# Altium PCB Minion.PcbDoc (part 3 of 10)
Units mm, origin at the board's own origin, x right, y up, seen from the top; angles counter-clockwise.
Board outline 250 x 250 mm, 4 copper layers (Top Layer, Mid-Top Layer, Mid-Bottom Layer, Bottom Layer); 557 components, 153 nets, 5229 pads, 7984 vias.
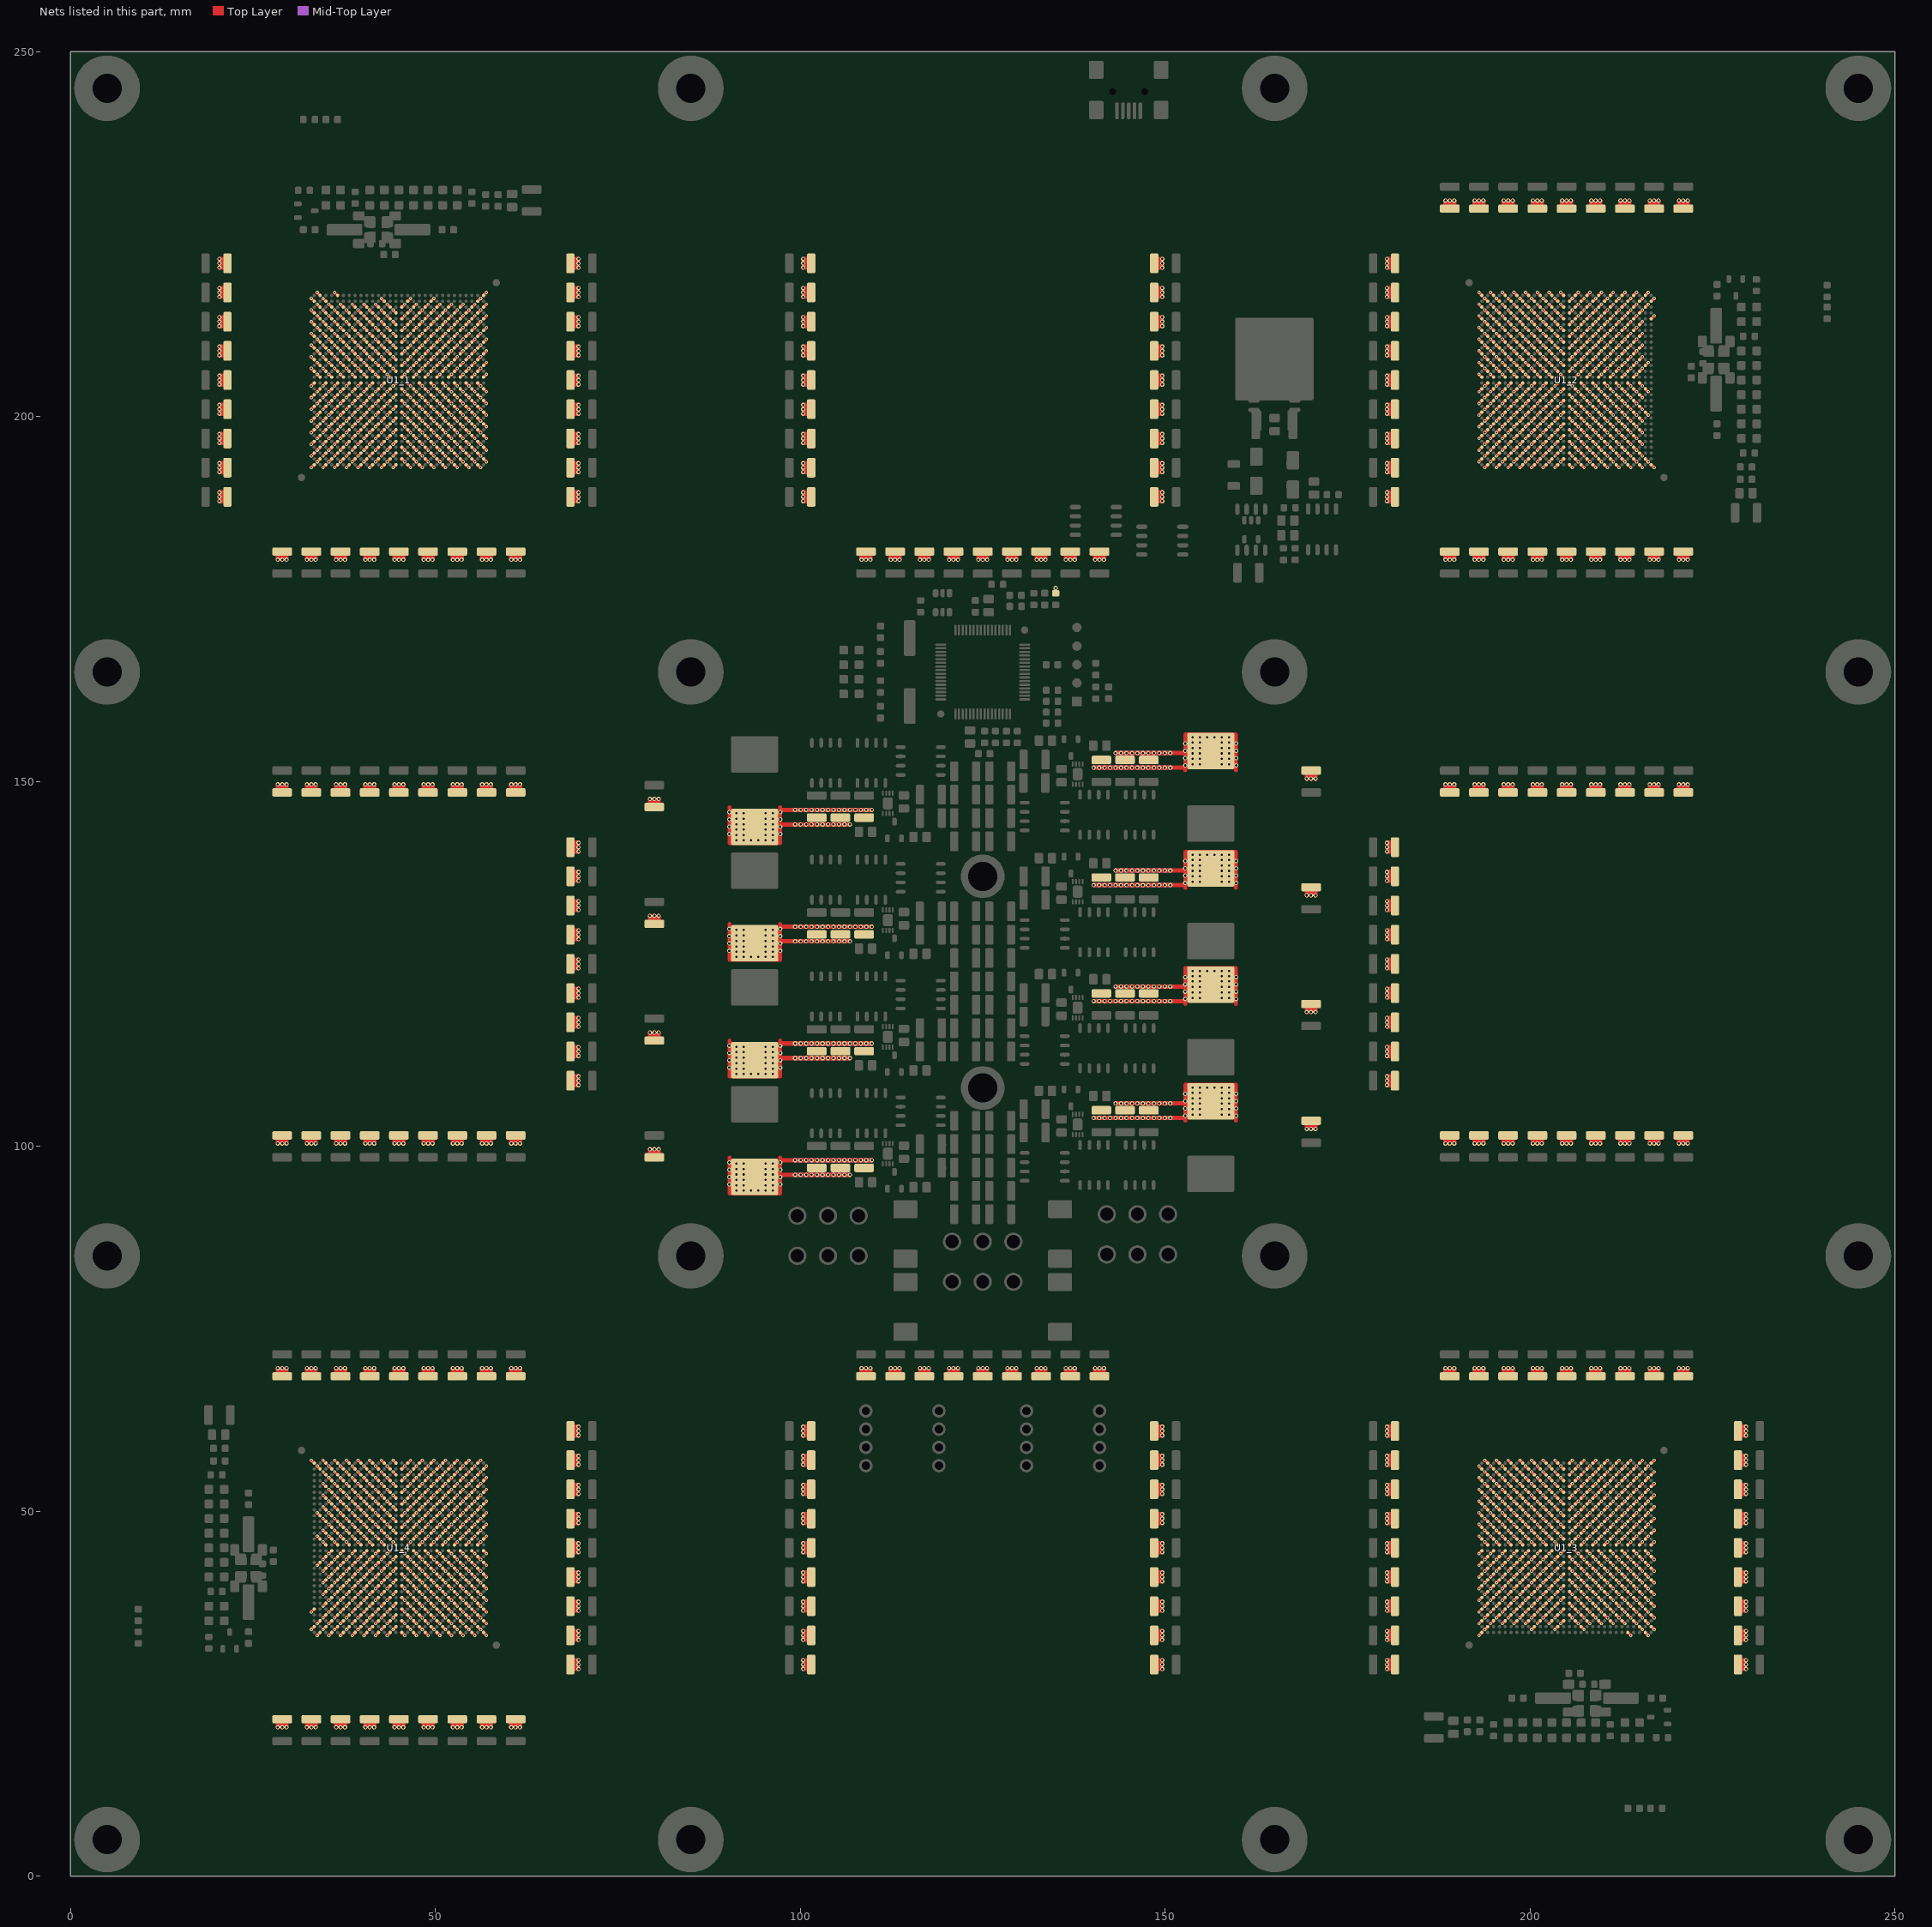
[diagram p5: the nets of this part, all layers, seen from the top]

## Via types
v1: diameter 0.6, hole 0.3, Top Layer to Bottom Layer, tented both sides, 4384 vias
v2: diameter 0.45, hole 0.2, Top Layer to Bottom Layer, tented both sides, 3600 vias

## Nets (pads, with @x,y where several pads share a name; then routed paths per layer and width w, separated by ;. In a path a pad name is that pad's centre, name@x,y a point inside that pad or via, vN(x,y) a via of type N, cw(c..) or ccw(c..) an arc to the next point about the centre after c; other vN are vias at no path point)
0.8V: C6P_1.1 C6P_2.1 C6P_3.1 C6P_4.1 C6P_5.1 C6P_6.1 C6P_7.1 C6P_8.1 C7P_1.1 C7P_2.1 C7P_3.1 C7P_4.1 C7P_5.1 C7P_6.1 C7P_7.1 C7P_8.1 C8P_1.1 C8P_2.1 C8P_3.1 C8P_4.1 C8P_5.1 C8P_6.1 C8P_7.1 C8P_8.1 CF_1.1 CF_2.1 CF_3.1 CF_4.1 CF_5.1 CF_6.1 CF_7.1 CF_8.1 CF_9.1 CF_10.1 CF_11.1 CF_12.1 CF_13.1 CF_14.1 CF_15.1 CF_16.1 CF_17.1 CF_18.1 CF_19.1 CF_20.1 CF_21.1 CF_22.1 CF_23.1 CF_24.1 CF_25.1 CF_26.1 CF_27.1 CF_28.1 CF_29.1 CF_30.1 CF_31.1 CF_32.1 CF_33.1 CF_34.1 CF_35.1 CF_36.1 CF_37.1 CF_38.1 CF_39.1 CF_40.1 CF_41.1 CF_42.1 CF_43.1 CF_44.1 CF_45.1 CF_46.1 CF_47.1 CF_48.1 CF_49.1 CF_50.1 CF_51.1 CF_52.1 CF_53.1 CF_54.1 CF_55.1 CF_56.1 CF_57.1 CF_58.1 CF_59.1 CF_60.1 CF_61.1 CF_62.1 CF_63.1 CF_64.1 CF_65.1 CF_66.1 CF_67.1 CF_68.1 CF_69.1 CF_70.1 CF_71.1 CF_72.1 CF_73.1 CF_74.1 CF_75.1 CF_76.1 CF_77.1 CF_78.1 CF_79.1 CF_80.1 CF_81.1 CF_82.1 CF_83.1 CF_84.1 CF_85.1 CF_86.1 CF_87.1 CF_88.1 CF_89.1 CF_90.1 CF_91.1 CF_92.1 CF_93.1 CF_94.1 CF_95.1 CF_96.1 CF_97.1 CF_98.1 CF_99.1 CF_100.1 CF_101.1 CF_102.1 CF_103.1 CF_104.1 CF_105.1 CF_106.1 CF_107.1 CF_108.1 CF_109.1 CF_110.1 CF_111.1 CF_112.1 CM_1.1 CM_2.1 CM_3.1 CM_4.1 CM_5.1 CM_6.1 CM_7.1 CM_8.1 CM_9.1 CM_10.1 CM_11.1 CM_12.1 CM_13.1 CM_14.1 CM_15.1 CM_16.1 CM_17.1 CM_18.1 CM_19.1 CM_20.1 CM_21.1 CM_22.1 CM_23.1 CM_24.1 CM_25.1 CM_26.1 CM_27.1 CM_28.1 CM_29.1 CM_30.1 CM_31.1 CM_32.1 CM_33.1 CM_34.1 CM_35.1 CM_36.1 CM_37.1 CM_38.1 CM_39.1 CM_40.1 CM_41.1 CM_42.1 CM_43.1 CM_44.1 CM_45.1 CM_46.1 CM_47.1 CM_48.1 CM_49.1 CM_50.1 CM_51.1 CM_52.1 CM_53.1 CM_54.1 CM_55.1 CM_56.1 CM_57.1 CM_58.1 CM_59.1 CM_60.1 CM_61.1 CM_62.1 CM_63.1 CM_64.1 CM_65.1 CM_66.1 CM_67.1 CM_68.1 CM_69.1 CM_70.1 CM_71.1 CM_72.1 CM_73.1 CM_74.1 CM_75.1 CM_76.1 CM_77.1 CM_78.1 CM_79.1 CM_80.1 CM_81.1 CM_82.1 CM_83.1 CM_84.1 CM_85.1 CM_86.1 CM_87.1 CM_88.1 CM_89.1 CM_90.1 CM_91.1 CM_92.1 CM_93.1 CM_94.1 CM_95.1 CM_96.1 CM_97.1 CM_98.1 CM_99.1 CM_100.1 CM_101.1 CM_102.1 CM_103.1 CM_104.1 CM_105.1 CM_106.1 CM_107.1 CM_108.1 CM_109.1 CM_110.1 CM_111.1 CM_112.1 L1P_1.2 L1P_2.2 L1P_3.2 L1P_4.2 L1P_5.2 L1P_6.2 L1P_7.2 L1P_8.2 pad.0@102.25,97.05 pad.0@102.25,113.05 pad.0@102.25,129.05 pad.0@102.25,145.05 pad.0@105.5,97.05 pad.0@105.5,113.05 pad.0@105.5,129.05 pad.0@105.5,145.05 pad.0@108.75,97.05 pad.0@108.75,113.05 pad.0@108.75,129.05 pad.0@108.75,145.05 pad.0@141.25,104.95 pad.0@141.25,120.95 pad.0@141.25,136.85 pad.0@141.25,152.95 pad.0@144.5,104.95 pad.0@144.5,120.95 pad.0@144.5,136.85 pad.0@144.5,152.95 pad.0@147.75,104.95 pad.0@147.75,120.95 pad.0@147.75,136.85 pad.0@147.75,152.95 R18.2 U1_1.A2 U1_1.A4 U1_1.A6 U1_1.A8 U1_1.A10 U1_1.A12 U1_1.A14 U1_1.A16 U1_1.A18 U1_1.A20 U1_1.A22 U1_1.A24 U1_1.A26 U1_1.A28 U1_1.A30 U1_1.AA2 U1_1.AA4 U1_1.AA6 U1_1.AA8 U1_1.AA10 U1_1.AA12 U1_1.AA14 U1_1.AA16 U1_1.AA18 U1_1.AA20 U1_1.AA22 U1_1.AA24 U1_1.AA26 U1_1.AA28 U1_1.AA30 U1_1.AB1 U1_1.AB3 U1_1.AB5 U1_1.AB7 U1_1.AB9 U1_1.AB11 U1_1.AB13 U1_1.AB15 U1_1.AB17 U1_1.AB19 U1_1.AB21 U1_1.AB23 U1_1.AB25 U1_1.AB27 U1_1.AB29 U1_1.AC2 U1_1.AC4 U1_1.AC6 U1_1.AC8 U1_1.AC10 U1_1.AC12 U1_1.AC14 U1_1.AC16 U1_1.AC18 U1_1.AC20 U1_1.AC22 U1_1.AC24 U1_1.AC26 U1_1.AC28 U1_1.AC30 U1_1.AD1 U1_1.AD3 U1_1.AD5 U1_1.AD7 U1_1.AD9 U1_1.AD11 U1_1.AD13 U1_1.AD15 U1_1.AD17 U1_1.AD19 U1_1.AD21 U1_1.AD23 U1_1.AD25 U1_1.AD27 U1_1.AD29 U1_1.AE2 U1_1.AE4 U1_1.AE6 U1_1.AE8 U1_1.AE10 U1_1.AE12 U1_1.AE14 U1_1.AE16 U1_1.AE18 U1_1.AE20 U1_1.AE22 U1_1.AE24 U1_1.AE26 U1_1.AE28 U1_1.AE30 U1_1.AF1 U1_1.AF3 U1_1.AF5 U1_1.AF7 U1_1.AF9 U1_1.AF11 U1_1.AF13 U1_1.AF15 U1_1.AF17 U1_1.AF19 U1_1.AF21 U1_1.AF23 U1_1.AF25 U1_1.AF27 U1_1.AF29 U1_1.AG2 U1_1.AG4 U1_1.AG6 U1_1.AG8 U1_1.AG10 U1_1.AG12 U1_1.AG14 U1_1.AG16 U1_1.AG18 U1_1.AG20 U1_1.AG22 U1_1.AG24 U1_1.AG26 U1_1.AG28 U1_1.AG30 U1_1.AH1 U1_1.AH3 U1_1.AH5 U1_1.AH7 U1_1.AH9 U1_1.AH11 U1_1.AH13 U1_1.AH15 U1_1.AH17 U1_1.AH19 U1_1.AH21 U1_1.AH23 U1_1.AH25 U1_1.AH27 U1_1.AH29 U1_1.AJ2 U1_1.AJ10 U1_1.AJ14 U1_1.AJ18 U1_1.AJ28 U1_1.AJ30 U1_1.AK1 U1_1.AK26 U1_1.AK29 U1_1.B1 U1_1.B3 U1_1.B5 U1_1.B7 U1_1.B9 U1_1.B11 U1_1.B13 U1_1.B15 U1_1.B17 U1_1.B19 U1_1.B21 U1_1.B23 U1_1.B25 U1_1.B27 U1_1.B29 U1_1.C2 U1_1.C4 U1_1.C6 U1_1.C8 U1_1.C10 U1_1.C12 U1_1.C14 U1_1.C16 U1_1.C18 U1_1.C20 U1_1.C22 U1_1.C24 U1_1.C26 U1_1.C28 U1_1.C30 U1_1.D1 U1_1.D3 U1_1.D5 U1_1.D7 U1_1.D9 U1_1.D11 U1_1.D13 U1_1.D15 U1_1.D17 U1_1.D19 U1_1.D21 U1_1.D23 U1_1.D25 U1_1.D27 U1_1.D29 U1_1.E2 U1_1.E4 U1_1.E6 U1_1.E8 U1_1.E10 U1_1.E12 U1_1.E14 U1_1.E16 U1_1.E18 U1_1.E20 U1_1.E22 U1_1.E24 U1_1.E26 U1_1.E28 U1_1.E30 U1_1.F1 U1_1.F3 U1_1.F5 U1_1.F7 U1_1.F9 U1_1.F11 U1_1.F13 U1_1.F15 U1_1.F17 U1_1.F19 U1_1.F21 U1_1.F23 U1_1.F25 U1_1.F27 U1_1.F29 U1_1.G2 U1_1.G4 U1_1.G6 U1_1.G8 U1_1.G10 U1_1.G12 U1_1.G14 U1_1.G16 U1_1.G18 U1_1.G20 U1_1.G22 U1_1.G24 U1_1.G26 U1_1.G28 U1_1.G30 U1_1.H1 U1_1.H3 U1_1.H5 U1_1.H7 U1_1.H9 U1_1.H11 U1_1.H13 U1_1.H15 U1_1.H17 U1_1.H19 U1_1.H21 U1_1.H23 U1_1.H25 U1_1.H27 U1_1.H29 U1_1.J2 U1_1.J4 U1_1.J6 U1_1.J8 U1_1.J10 U1_1.J12 U1_1.J14 U1_1.J16 U1_1.J18 U1_1.J20 U1_1.J22 U1_1.J24 U1_1.J26 U1_1.J28 U1_1.J30 U1_1.K1 U1_1.K3 U1_1.K5 U1_1.K7 U1_1.K9 U1_1.K11 U1_1.K13 U1_1.K15 U1_1.K17 U1_1.K19 U1_1.K21 U1_1.K23 U1_1.K25 U1_1.K27 U1_1.K29 U1_1.L2 U1_1.L4 U1_1.L6 U1_1.L8 U1_1.L10 U1_1.L12 U1_1.L14 U1_1.L16 U1_1.L18 U1_1.L20 U1_1.L22 U1_1.L24 U1_1.L26 U1_1.L28 U1_1.L30 U1_1.M1 U1_1.M3 U1_1.M5 U1_1.M7 U1_1.M9 U1_1.M11 U1_1.M13 U1_1.M15 U1_1.M17 U1_1.M19 U1_1.M21 U1_1.M23 U1_1.M25 U1_1.M27 U1_1.M29 U1_1.N2 U1_1.N4 U1_1.N6 U1_1.N8 U1_1.N10 U1_1.N12 U1_1.N14 U1_1.N16 U1_1.N18 U1_1.N20 U1_1.N22 U1_1.N24 U1_1.N26 U1_1.N28 U1_1.N30 U1_1.P1 U1_1.P3 U1_1.P5 U1_1.P7 U1_1.P9 U1_1.P11 U1_1.P13 U1_1.P15 U1_1.P17 U1_1.P19 U1_1.P21 U1_1.P23 U1_1.P25 U1_1.P27 U1_1.P29 U1_1.R2 U1_1.R4 U1_1.R6 U1_1.R8 U1_1.R10 U1_1.R12 U1_1.R14 U1_1.R16 U1_1.R18 U1_1.R20 U1_1.R22 U1_1.R24 U1_1.R26 U1_1.R28 U1_1.R30 U1_1.T1 U1_1.T3 U1_1.T5 U1_1.T7 U1_1.T9 U1_1.T11 U1_1.T13 U1_1.T15 U1_1.T17 U1_1.T19 U1_1.T21 U1_1.T23 U1_1.T25 U1_1.T27 U1_1.T29 U1_1.U2 U1_1.U4 U1_1.U6 U1_1.U8 U1_1.U10 U1_1.U12 U1_1.U14 U1_1.U16 U1_1.U18 U1_1.U20 U1_1.U22 U1_1.U24 U1_1.U26 U1_1.U28 U1_1.U30 U1_1.V1 U1_1.V3 U1_1.V5 U1_1.V7 U1_1.V9 U1_1.V11 U1_1.V13 U1_1.V15 U1_1.V17 U1_1.V19 U1_1.V21 U1_1.V23 U1_1.V25 U1_1.V27 U1_1.V29 U1_1.W2 U1_1.W4 U1_1.W6 U1_1.W8 U1_1.W10 U1_1.W12 U1_1.W14 U1_1.W16 U1_1.W18 U1_1.W20 U1_1.W22 U1_1.W24 U1_1.W26 U1_1.W28 U1_1.W30 U1_1.Y1 U1_1.Y3 U1_1.Y5 U1_1.Y7 U1_1.Y9 U1_1.Y11 U1_1.Y13 U1_1.Y15 U1_1.Y17 U1_1.Y19 U1_1.Y21 U1_1.Y23 U1_1.Y25 U1_1.Y27 U1_1.Y29 U1_2.A2 U1_2.A4 U1_2.A6 U1_2.A8 U1_2.A10 U1_2.A12 U1_2.A14 U1_2.A16 U1_2.A18 U1_2.A20 U1_2.A22 U1_2.A24 U1_2.A26 U1_2.A28 U1_2.A30 U1_2.AA2 U1_2.AA4 U1_2.AA6 U1_2.AA8 U1_2.AA10 U1_2.AA12 U1_2.AA14 U1_2.AA16 U1_2.AA18 U1_2.AA20 U1_2.AA22 U1_2.AA24 U1_2.AA26 U1_2.AA28 U1_2.AA30 U1_2.AB1 U1_2.AB3 U1_2.AB5 U1_2.AB7 U1_2.AB9 U1_2.AB11 U1_2.AB13 U1_2.AB15 U1_2.AB17 U1_2.AB19 U1_2.AB21 U1_2.AB23 U1_2.AB25 U1_2.AB27 U1_2.AB29 U1_2.AC2 U1_2.AC4 U1_2.AC6 U1_2.AC8 U1_2.AC10 U1_2.AC12 U1_2.AC14 U1_2.AC16 U1_2.AC18 U1_2.AC20 U1_2.AC22 U1_2.AC24 U1_2.AC26 U1_2.AC28 U1_2.AC30 U1_2.AD1 U1_2.AD3 U1_2.AD5 U1_2.AD7 U1_2.AD9 U1_2.AD11 U1_2.AD13 U1_2.AD15 U1_2.AD17 U1_2.AD19 U1_2.AD21 U1_2.AD23 U1_2.AD25 U1_2.AD27 U1_2.AD29 U1_2.AE2 U1_2.AE4 U1_2.AE6 U1_2.AE8 U1_2.AE10 U1_2.AE12 U1_2.AE14 U1_2.AE16 U1_2.AE18 U1_2.AE20 U1_2.AE22 U1_2.AE24 U1_2.AE26 U1_2.AE28 U1_2.AE30 U1_2.AF1 U1_2.AF3 U1_2.AF5 U1_2.AF7 U1_2.AF9 U1_2.AF11 U1_2.AF13 U1_2.AF15 U1_2.AF17 U1_2.AF19 U1_2.AF21 U1_2.AF23 U1_2.AF25 U1_2.AF27 U1_2.AF29 U1_2.AG2 U1_2.AG4 U1_2.AG6 U1_2.AG8 U1_2.AG10 U1_2.AG12 U1_2.AG14 U1_2.AG16 U1_2.AG18 U1_2.AG20 U1_2.AG22 U1_2.AG24 U1_2.AG26 U1_2.AG28 U1_2.AG30 U1_2.AH1 U1_2.AH3 U1_2.AH5 U1_2.AH7 U1_2.AH9 U1_2.AH11 U1_2.AH13 U1_2.AH15 U1_2.AH17 U1_2.AH19 U1_2.AH21 U1_2.AH23 U1_2.AH25 U1_2.AH27 U1_2.AH29 U1_2.AJ2 U1_2.AJ10 U1_2.AJ14 U1_2.AJ18 U1_2.AJ28 U1_2.AJ30 U1_2.AK1 U1_2.AK26 U1_2.AK29 U1_2.B1 U1_2.B3 U1_2.B5 U1_2.B7 U1_2.B9 U1_2.B11 U1_2.B13 U1_2.B15 U1_2.B17 U1_2.B19 U1_2.B21 U1_2.B23 U1_2.B25 U1_2.B27 U1_2.B29 U1_2.C2 U1_2.C4 U1_2.C6 U1_2.C8 U1_2.C10 U1_2.C12 U1_2.C14 U1_2.C16 U1_2.C18 U1_2.C20 U1_2.C22 U1_2.C24 U1_2.C26 U1_2.C28 U1_2.C30 U1_2.D1 U1_2.D3 U1_2.D5 U1_2.D7 U1_2.D9 U1_2.D11 U1_2.D13 U1_2.D15 U1_2.D17 U1_2.D19 U1_2.D21 U1_2.D23 U1_2.D25 U1_2.D27 U1_2.D29 U1_2.E2 U1_2.E4 U1_2.E6 U1_2.E8 U1_2.E10 U1_2.E12 U1_2.E14 U1_2.E16 U1_2.E18 U1_2.E20 U1_2.E22 U1_2.E24 U1_2.E26 U1_2.E28 U1_2.E30 U1_2.F1 U1_2.F3 U1_2.F5 U1_2.F7 U1_2.F9 U1_2.F11 U1_2.F13 U1_2.F15 U1_2.F17 U1_2.F19 U1_2.F21 U1_2.F23 U1_2.F25 U1_2.F27 U1_2.F29 U1_2.G2 U1_2.G4 U1_2.G6 U1_2.G8 U1_2.G10 U1_2.G12 U1_2.G14 U1_2.G16 U1_2.G18 U1_2.G20 U1_2.G22 U1_2.G24 U1_2.G26 U1_2.G28 U1_2.G30 U1_2.H1 U1_2.H3 U1_2.H5 U1_2.H7 U1_2.H9 U1_2.H11 U1_2.H13 U1_2.H15 U1_2.H17 U1_2.H19 U1_2.H21 U1_2.H23 U1_2.H25 U1_2.H27 U1_2.H29 U1_2.J2 U1_2.J4 U1_2.J6 U1_2.J8 U1_2.J10 U1_2.J12 U1_2.J14 U1_2.J16 U1_2.J18 U1_2.J20 U1_2.J22 U1_2.J24 U1_2.J26 U1_2.J28 U1_2.J30 U1_2.K1 U1_2.K3 U1_2.K5 U1_2.K7 U1_2.K9 U1_2.K11 U1_2.K13 U1_2.K15 U1_2.K17 U1_2.K19 U1_2.K21 U1_2.K23 U1_2.K25 U1_2.K27 U1_2.K29 U1_2.L2 U1_2.L4 U1_2.L6 U1_2.L8 U1_2.L10 U1_2.L12 U1_2.L14 U1_2.L16 U1_2.L18 U1_2.L20 U1_2.L22 U1_2.L24 U1_2.L26 U1_2.L28 U1_2.L30 U1_2.M1 U1_2.M3 U1_2.M5 U1_2.M7 U1_2.M9 U1_2.M11 U1_2.M13 U1_2.M15 U1_2.M17 U1_2.M19 U1_2.M21 U1_2.M23 U1_2.M25 U1_2.M27 U1_2.M29 U1_2.N2 U1_2.N4 U1_2.N6 U1_2.N8 U1_2.N10 U1_2.N12 U1_2.N14 U1_2.N16 U1_2.N18 U1_2.N20 U1_2.N22 U1_2.N24 U1_2.N26 U1_2.N28 U1_2.N30 U1_2.P1 U1_2.P3 U1_2.P5 U1_2.P7 U1_2.P9 U1_2.P11 U1_2.P13 U1_2.P15 U1_2.P17 U1_2.P19 U1_2.P21 U1_2.P23 U1_2.P25 U1_2.P27 U1_2.P29 U1_2.R2 U1_2.R4 U1_2.R6 U1_2.R8 U1_2.R10 U1_2.R12 U1_2.R14 U1_2.R16 U1_2.R18 U1_2.R20 U1_2.R22 U1_2.R24 U1_2.R26 U1_2.R28 U1_2.R30 U1_2.T1 U1_2.T3 U1_2.T5 U1_2.T7 U1_2.T9 U1_2.T11 U1_2.T13 U1_2.T15 U1_2.T17 U1_2.T19 U1_2.T21 U1_2.T23 U1_2.T25 U1_2.T27 U1_2.T29 U1_2.U2 U1_2.U4 U1_2.U6 U1_2.U8 U1_2.U10 U1_2.U12 U1_2.U14 U1_2.U16 U1_2.U18 U1_2.U20 U1_2.U22 U1_2.U24 U1_2.U26 U1_2.U28 U1_2.U30 U1_2.V1 U1_2.V3 U1_2.V5 U1_2.V7 U1_2.V9 U1_2.V11 U1_2.V13 U1_2.V15 U1_2.V17 U1_2.V19 U1_2.V21 U1_2.V23 U1_2.V25 U1_2.V27 U1_2.V29 U1_2.W2 U1_2.W4 U1_2.W6 U1_2.W8 U1_2.W10 U1_2.W12 U1_2.W14 U1_2.W16 U1_2.W18 U1_2.W20 U1_2.W22 U1_2.W24 U1_2.W26 U1_2.W28 U1_2.W30 U1_2.Y1 U1_2.Y3 U1_2.Y5 U1_2.Y7 U1_2.Y9 U1_2.Y11 U1_2.Y13 U1_2.Y15 U1_2.Y17 U1_2.Y19 U1_2.Y21 U1_2.Y23 U1_2.Y25 U1_2.Y27 U1_2.Y29 U1_3.A2 U1_3.A4 U1_3.A6 U1_3.A8 U1_3.A10 U1_3.A12 U1_3.A14 U1_3.A16 U1_3.A18 U1_3.A20 U1_3.A22 U1_3.A24 U1_3.A26 U1_3.A28 U1_3.A30 U1_3.AA2 U1_3.AA4 U1_3.AA6 U1_3.AA8 U1_3.AA10 U1_3.AA12 U1_3.AA14 U1_3.AA16 U1_3.AA18 U1_3.AA20 U1_3.AA22 U1_3.AA24 U1_3.AA26 U1_3.AA28 U1_3.AA30 U1_3.AB1 U1_3.AB3 U1_3.AB5 U1_3.AB7 U1_3.AB9 U1_3.AB11 U1_3.AB13 U1_3.AB15 U1_3.AB17 U1_3.AB19 U1_3.AB21 U1_3.AB23 U1_3.AB25 U1_3.AB27 U1_3.AB29 U1_3.AC2 U1_3.AC4 U1_3.AC6 U1_3.AC8 U1_3.AC10 U1_3.AC12 U1_3.AC14 U1_3.AC16 U1_3.AC18 U1_3.AC20 U1_3.AC22 U1_3.AC24 U1_3.AC26 U1_3.AC28 U1_3.AC30 U1_3.AD1 U1_3.AD3 U1_3.AD5 U1_3.AD7 U1_3.AD9 U1_3.AD11 U1_3.AD13 U1_3.AD15 U1_3.AD17 U1_3.AD19 U1_3.AD21 U1_3.AD23 U1_3.AD25 U1_3.AD27 U1_3.AD29 U1_3.AE2 U1_3.AE4 U1_3.AE6 U1_3.AE8 U1_3.AE10 U1_3.AE12 U1_3.AE14 U1_3.AE16 U1_3.AE18 U1_3.AE20 U1_3.AE22 U1_3.AE24 U1_3.AE26 U1_3.AE28 U1_3.AE30 U1_3.AF1 U1_3.AF3 U1_3.AF5 U1_3.AF7 U1_3.AF9 U1_3.AF11 U1_3.AF13 U1_3.AF15 U1_3.AF17 U1_3.AF19 U1_3.AF21 U1_3.AF23 U1_3.AF25 U1_3.AF27 U1_3.AF29 U1_3.AG2 U1_3.AG4 U1_3.AG6 U1_3.AG8 U1_3.AG10 U1_3.AG12 U1_3.AG14 U1_3.AG16 U1_3.AG18 U1_3.AG20 U1_3.AG22 U1_3.AG24 U1_3.AG26 U1_3.AG28 U1_3.AG30 U1_3.AH1 U1_3.AH3 U1_3.AH5 U1_3.AH7 U1_3.AH9 U1_3.AH11 U1_3.AH13 U1_3.AH15 U1_3.AH17 U1_3.AH19 U1_3.AH21 U1_3.AH23 U1_3.AH25 U1_3.AH27 U1_3.AH29 U1_3.AJ2 U1_3.AJ10 U1_3.AJ14 U1_3.AJ18 U1_3.AJ28 U1_3.AJ30 U1_3.AK1 U1_3.AK26 U1_3.AK29 U1_3.B1 U1_3.B3 U1_3.B5 U1_3.B7 U1_3.B9 U1_3.B11 U1_3.B13 U1_3.B15 U1_3.B17 U1_3.B19 U1_3.B21 U1_3.B23 U1_3.B25 U1_3.B27 U1_3.B29 U1_3.C2 U1_3.C4 U1_3.C6 U1_3.C8 U1_3.C10 U1_3.C12 U1_3.C14 U1_3.C16 U1_3.C18 U1_3.C20 U1_3.C22 U1_3.C24 U1_3.C26 U1_3.C28 U1_3.C30 U1_3.D1 U1_3.D3 U1_3.D5 U1_3.D7 U1_3.D9 U1_3.D11 U1_3.D13 U1_3.D15 U1_3.D17 U1_3.D19 U1_3.D21 U1_3.D23 U1_3.D25 U1_3.D27 U1_3.D29 U1_3.E2 U1_3.E4 U1_3.E6 U1_3.E8 U1_3.E10 U1_3.E12 U1_3.E14 U1_3.E16 U1_3.E18 U1_3.E20 U1_3.E22 U1_3.E24 U1_3.E26 U1_3.E28 U1_3.E30 U1_3.F1 U1_3.F3 U1_3.F5 U1_3.F7 U1_3.F9 U1_3.F11 U1_3.F13 U1_3.F15 U1_3.F17 U1_3.F19 U1_3.F21 U1_3.F23 U1_3.F25 U1_3.F27 U1_3.F29 U1_3.G2 U1_3.G4 U1_3.G6 U1_3.G8 U1_3.G10 U1_3.G12 U1_3.G14 U1_3.G16 U1_3.G18 U1_3.G20 U1_3.G22 U1_3.G24 U1_3.G26 U1_3.G28 U1_3.G30 U1_3.H1 U1_3.H3 U1_3.H5 U1_3.H7 U1_3.H9 U1_3.H11 U1_3.H13 U1_3.H15 U1_3.H17 U1_3.H19 U1_3.H21 U1_3.H23 U1_3.H25 U1_3.H27 U1_3.H29 U1_3.J2 U1_3.J4 U1_3.J6 U1_3.J8 U1_3.J10 U1_3.J12 U1_3.J14 U1_3.J16 U1_3.J18 U1_3.J20 U1_3.J22 U1_3.J24 U1_3.J26 U1_3.J28 U1_3.J30 U1_3.K1 U1_3.K3 U1_3.K5 U1_3.K7 U1_3.K9 U1_3.K11 U1_3.K13 U1_3.K15 U1_3.K17 U1_3.K19 U1_3.K21 U1_3.K23 U1_3.K25 U1_3.K27 U1_3.K29 U1_3.L2 U1_3.L4 U1_3.L6 U1_3.L8 U1_3.L10 U1_3.L12 U1_3.L14 U1_3.L16 U1_3.L18 U1_3.L20 U1_3.L22 U1_3.L24 U1_3.L26 U1_3.L28 U1_3.L30 U1_3.M1 U1_3.M3 U1_3.M5 U1_3.M7 U1_3.M9 U1_3.M11 U1_3.M13 U1_3.M15 U1_3.M17 U1_3.M19 U1_3.M21 U1_3.M23 U1_3.M25 U1_3.M27 U1_3.M29 U1_3.N2 U1_3.N4 U1_3.N6 U1_3.N8 U1_3.N10 U1_3.N12 U1_3.N14 U1_3.N16 U1_3.N18 U1_3.N20 U1_3.N22 U1_3.N24 U1_3.N26 U1_3.N28 U1_3.N30 U1_3.P1 U1_3.P3 U1_3.P5 U1_3.P7 U1_3.P9 U1_3.P11 U1_3.P13 U1_3.P15 U1_3.P17 U1_3.P19 U1_3.P21 U1_3.P23 U1_3.P25 U1_3.P27 U1_3.P29 U1_3.R2 U1_3.R4 U1_3.R6 U1_3.R8 U1_3.R10 U1_3.R12 U1_3.R14 U1_3.R16 U1_3.R18 U1_3.R20 U1_3.R22 U1_3.R24 U1_3.R26 U1_3.R28 U1_3.R30 U1_3.T1 U1_3.T3 U1_3.T5 U1_3.T7 U1_3.T9 U1_3.T11 U1_3.T13 U1_3.T15 U1_3.T17 U1_3.T19 U1_3.T21 U1_3.T23 U1_3.T25 U1_3.T27 U1_3.T29 U1_3.U2 U1_3.U4 U1_3.U6 U1_3.U8 U1_3.U10 U1_3.U12 U1_3.U14 U1_3.U16 U1_3.U18 U1_3.U20 U1_3.U22 U1_3.U24 U1_3.U26 U1_3.U28 U1_3.U30 U1_3.V1 U1_3.V3 U1_3.V5 U1_3.V7 U1_3.V9 U1_3.V11 U1_3.V13 U1_3.V15 U1_3.V17 U1_3.V19 U1_3.V21 U1_3.V23 U1_3.V25 U1_3.V27 U1_3.V29 U1_3.W2 U1_3.W4 U1_3.W6 U1_3.W8 U1_3.W10 U1_3.W12 U1_3.W14 U1_3.W16 U1_3.W18 U1_3.W20 U1_3.W22 U1_3.W24 U1_3.W26 U1_3.W28 U1_3.W30 U1_3.Y1 U1_3.Y3 U1_3.Y5 U1_3.Y7 U1_3.Y9 U1_3.Y11 U1_3.Y13 U1_3.Y15 U1_3.Y17 U1_3.Y19 U1_3.Y21 U1_3.Y23 U1_3.Y25 U1_3.Y27 U1_3.Y29 U1_4.A2 U1_4.A4 U1_4.A6 U1_4.A8 U1_4.A10 U1_4.A12 U1_4.A14 U1_4.A16 U1_4.A18 U1_4.A20 U1_4.A22 U1_4.A24 U1_4.A26 U1_4.A28 U1_4.A30 U1_4.AA2 U1_4.AA4 U1_4.AA6 U1_4.AA8 U1_4.AA10 U1_4.AA12 U1_4.AA14 U1_4.AA16 U1_4.AA18 U1_4.AA20 U1_4.AA22 U1_4.AA24 U1_4.AA26 U1_4.AA28 U1_4.AA30 U1_4.AB1 U1_4.AB3 U1_4.AB5 U1_4.AB7 U1_4.AB9 U1_4.AB11 U1_4.AB13 U1_4.AB15 U1_4.AB17 U1_4.AB19 U1_4.AB21 U1_4.AB23 U1_4.AB25 U1_4.AB27 U1_4.AB29 U1_4.AC2 U1_4.AC4 U1_4.AC6 U1_4.AC8 U1_4.AC10 U1_4.AC12 U1_4.AC14 U1_4.AC16 U1_4.AC18 U1_4.AC20 U1_4.AC22 U1_4.AC24 U1_4.AC26 U1_4.AC28 U1_4.AC30 U1_4.AD1 U1_4.AD3 U1_4.AD5 U1_4.AD7 U1_4.AD9 U1_4.AD11 U1_4.AD13 U1_4.AD15 U1_4.AD17 U1_4.AD19 U1_4.AD21 U1_4.AD23 U1_4.AD25 U1_4.AD27 U1_4.AD29 U1_4.AE2 U1_4.AE4 U1_4.AE6 U1_4.AE8 U1_4.AE10 U1_4.AE12 U1_4.AE14 U1_4.AE16 U1_4.AE18 U1_4.AE20 U1_4.AE22 U1_4.AE24 U1_4.AE26 U1_4.AE28 U1_4.AE30 U1_4.AF1 U1_4.AF3 U1_4.AF5 U1_4.AF7 U1_4.AF9 U1_4.AF11 U1_4.AF13 U1_4.AF15 U1_4.AF17 U1_4.AF19 U1_4.AF21 U1_4.AF23 U1_4.AF25 U1_4.AF27 U1_4.AF29 U1_4.AG2 U1_4.AG4 U1_4.AG6 U1_4.AG8 U1_4.AG10 U1_4.AG12 U1_4.AG14 U1_4.AG16 U1_4.AG18 U1_4.AG20 U1_4.AG22 U1_4.AG24 U1_4.AG26 U1_4.AG28 U1_4.AG30 U1_4.AH1 U1_4.AH3 U1_4.AH5 U1_4.AH7 U1_4.AH9 U1_4.AH11 U1_4.AH13 U1_4.AH15 U1_4.AH17 U1_4.AH19 U1_4.AH21 U1_4.AH23 U1_4.AH25 U1_4.AH27 U1_4.AH29 U1_4.AJ2 U1_4.AJ10 U1_4.AJ14 U1_4.AJ18 U1_4.AJ28 U1_4.AJ30 U1_4.AK1 U1_4.AK26 U1_4.AK29 U1_4.B1 U1_4.B3 U1_4.B5 U1_4.B7 U1_4.B9 U1_4.B11 U1_4.B13 U1_4.B15 U1_4.B17 U1_4.B19 U1_4.B21 U1_4.B23 U1_4.B25 U1_4.B27 U1_4.B29 U1_4.C2 U1_4.C4 U1_4.C6 U1_4.C8 U1_4.C10 U1_4.C12 U1_4.C14 U1_4.C16 U1_4.C18 U1_4.C20 U1_4.C22 U1_4.C24 U1_4.C26 U1_4.C28 U1_4.C30 U1_4.D1 U1_4.D3 U1_4.D5 U1_4.D7 U1_4.D9 U1_4.D11 U1_4.D13 U1_4.D15 U1_4.D17 U1_4.D19 U1_4.D21 U1_4.D23 U1_4.D25 U1_4.D27 U1_4.D29 U1_4.E2 U1_4.E4 U1_4.E6 U1_4.E8 U1_4.E10 U1_4.E12 U1_4.E14 U1_4.E16 U1_4.E18 U1_4.E20 U1_4.E22 U1_4.E24 U1_4.E26 U1_4.E28 U1_4.E30 U1_4.F1 U1_4.F3 U1_4.F5 U1_4.F7 U1_4.F9 U1_4.F11 U1_4.F13 U1_4.F15 U1_4.F17 U1_4.F19 U1_4.F21 U1_4.F23 U1_4.F25 U1_4.F27 U1_4.F29 U1_4.G2 U1_4.G4 U1_4.G6 U1_4.G8 U1_4.G10 U1_4.G12 U1_4.G14 U1_4.G16 U1_4.G18 U1_4.G20 U1_4.G22 U1_4.G24 U1_4.G26 U1_4.G28 U1_4.G30 U1_4.H1 U1_4.H3 U1_4.H5 U1_4.H7 U1_4.H9 U1_4.H11 U1_4.H13 U1_4.H15 U1_4.H17 U1_4.H19 U1_4.H21 U1_4.H23 U1_4.H25 U1_4.H27 U1_4.H29 U1_4.J2 U1_4.J4 U1_4.J6 U1_4.J8 U1_4.J10 U1_4.J12 U1_4.J14 U1_4.J16 U1_4.J18 U1_4.J20 U1_4.J22 U1_4.J24 U1_4.J26 U1_4.J28 U1_4.J30 U1_4.K1 U1_4.K3 U1_4.K5 U1_4.K7 U1_4.K9 U1_4.K11 U1_4.K13 U1_4.K15 U1_4.K17 U1_4.K19 U1_4.K21 U1_4.K23 U1_4.K25 U1_4.K27 U1_4.K29 U1_4.L2 U1_4.L4 U1_4.L6 U1_4.L8 U1_4.L10 U1_4.L12 U1_4.L14 U1_4.L16 U1_4.L18 U1_4.L20 U1_4.L22 U1_4.L24 U1_4.L26 U1_4.L28 U1_4.L30 U1_4.M1 U1_4.M3 U1_4.M5 U1_4.M7 U1_4.M9 U1_4.M11 U1_4.M13 U1_4.M15 U1_4.M17 U1_4.M19 U1_4.M21 U1_4.M23 U1_4.M25 U1_4.M27 U1_4.M29 U1_4.N2 U1_4.N4 U1_4.N6 U1_4.N8 U1_4.N10 U1_4.N12 U1_4.N14 U1_4.N16 U1_4.N18 U1_4.N20 U1_4.N22 U1_4.N24 U1_4.N26 U1_4.N28 U1_4.N30 U1_4.P1 U1_4.P3 U1_4.P5 U1_4.P7 U1_4.P9 U1_4.P11 U1_4.P13 U1_4.P15 U1_4.P17 U1_4.P19 U1_4.P21 U1_4.P23 U1_4.P25 U1_4.P27 U1_4.P29 U1_4.R2 U1_4.R4 U1_4.R6 U1_4.R8 U1_4.R10 U1_4.R12 U1_4.R14 U1_4.R16 U1_4.R18 U1_4.R20 U1_4.R22 U1_4.R24 U1_4.R26 U1_4.R28 U1_4.R30 U1_4.T1 U1_4.T3 U1_4.T5 U1_4.T7 U1_4.T9 U1_4.T11 U1_4.T13 U1_4.T15 U1_4.T17 U1_4.T19 U1_4.T21 U1_4.T23 U1_4.T25 U1_4.T27 U1_4.T29 U1_4.U2 U1_4.U4 U1_4.U6 U1_4.U8 U1_4.U10 U1_4.U12 U1_4.U14 U1_4.U16 U1_4.U18 U1_4.U20 U1_4.U22 U1_4.U24 U1_4.U26 U1_4.U28 U1_4.U30 U1_4.V1 U1_4.V3 U1_4.V5 U1_4.V7 U1_4.V9 U1_4.V11 U1_4.V13 U1_4.V15 U1_4.V17 U1_4.V19 U1_4.V21 U1_4.V23 U1_4.V25 U1_4.V27 U1_4.V29 U1_4.W2 U1_4.W4 U1_4.W6 U1_4.W8 U1_4.W10 U1_4.W12 U1_4.W14 U1_4.W16 U1_4.W18 U1_4.W20 U1_4.W22 U1_4.W24 U1_4.W26 U1_4.W28 U1_4.W30 U1_4.Y1 U1_4.Y3 U1_4.Y5 U1_4.Y7 U1_4.Y9 U1_4.Y11 U1_4.Y13 U1_4.Y15 U1_4.Y17 U1_4.Y19 U1_4.Y21 U1_4.Y23 U1_4.Y25 U1_4.Y27 U1_4.Y29 | length 1430.3
  Top Layer w0.5: 90.3,98.5 90.3,93.55 97.25,93.55 v1@97.25,95.825 ; 90.3,114.5 90.3,109.55 97.25,109.55 v1@97.25,111.825 ; 90.3,130.5 90.3,125.55 97.25,125.55 v1@97.25,127.825 ; 90.3,146.5 90.3,141.55 97.25,141.55 v1@97.25,143.825 ; v1(91.25,93.95) v1(92.25,93.95) v1(93.25,93.95) v1(94.25,93.95) v1(95.25,93.95) ; L1P_8.2@91.25,94.515 v1(91.25,97.65) ; v1(91.25,109.95) v1(92.25,109.95) v1(93.25,109.95) v1(94.25,109.95) v1(95.25,109.95) ; L1P_7.2@91.25,110.515 v1(91.25,113.65) ; v1(91.25,125.95) v1(92.25,125.95) v1(93.25,125.95) v1(94.25,125.95) v1(95.25,125.95) ; L1P_6.2@91.25,126.515 v1(91.25,129.65) ; v1(91.25,141.95) v1(92.25,141.95) v1(93.25,141.95) v1(94.25,141.95) v1(95.25,141.95) ; L1P_5.2@91.25,142.515 v1(91.25,145.65) ; L1P_8.2@91.975,97.6 L1P_8.2@93.75,95.825 ; L1P_7.2@91.975,113.6 L1P_7.2@93.75,111.825 ; L1P_6.2@91.975,129.6 L1P_6.2@93.75,127.825 ; L1P_5.2@91.975,145.6 L1P_5.2@93.75,143.825 ; L1P_8.2@92.25,94.515 v1(92.25,97.65) ; L1P_7.2@92.25,110.515 v1(92.25,113.65) ; L1P_6.2@92.25,126.515 v1(92.25,129.65) ; L1P_5.2@92.25,142.515 v1(92.25,145.65) ; L1P_8.2@95.25,94.515 v1(95.25,97.65) ; L1P_7.2@95.25,110.515 v1(95.25,113.65) ; L1P_6.2@95.25,126.515 v1(95.25,129.65) ; L1P_5.2@95.25,142.515 v1(95.25,145.65) ; L1P_8.2@95.275,97.35 L1P_8.2@93.75,95.825 ; L1P_7.2@95.275,113.35 L1P_7.2@93.75,111.825 ; L1P_6.2@95.275,129.35 L1P_6.2@93.75,127.825 ; L1P_5.2@95.275,145.35 L1P_5.2@93.75,143.825 ; L1P_8.2@95.36,94.215 L1P_8.2@93.75,95.825 ; L1P_7.2@95.36,110.215 L1P_7.2@93.75,111.825 ; L1P_6.2@95.36,126.215 L1P_6.2@93.75,127.825 ; L1P_5.2@95.36,142.215 L1P_5.2@93.75,143.825 ; L1P_8.2@96.25,94.515 v1(96.25,97.65) ; L1P_7.2@96.25,110.515 v1(96.25,113.65) ; L1P_6.2@96.25,126.515 v1(96.25,129.65) ; L1P_5.2@96.25,142.515 v1(96.25,145.65) ; 97.225,98.5 97.225,95.85 v1@97.25,95.825 ; 97.225,114.5 97.225,111.85 v1@97.25,111.825 ; 97.225,130.5 97.225,127.85 v1@97.25,127.825 ; 97.225,146.5 97.225,143.85 v1@97.25,143.825 ; 152.775,103.5 152.775,106.15 v1@152.75,106.175 ; 152.775,119.5 152.775,122.15 v1@152.75,122.175 ; 152.775,135.4 152.775,138.05 v1@152.75,138.075 ; 152.775,151.5 152.775,154.15 v1@152.75,154.175 ; v1(153.75,104.35) L1P_1.2@153.75,107.485 ; v1(153.75,120.35) L1P_2.2@153.75,123.485 ; v1(153.75,136.25) L1P_3.2@153.75,139.385 ; v1(153.75,152.35) L1P_4.2@153.75,155.485 ; L1P_1.2@154.64,107.785 L1P_1.2@156.25,106.175 ; L1P_2.2@154.64,123.785 L1P_2.2@156.25,122.175 ; L1P_3.2@154.64,139.685 L1P_3.2@156.25,138.075 ; L1P_4.2@154.64,155.785 L1P_4.2@156.25,154.175 ; L1P_1.2@154.725,104.65 L1P_1.2@156.25,106.175 ; L1P_2.2@154.725,120.65 L1P_2.2@156.25,122.175 ; L1P_3.2@154.725,136.55 L1P_3.2@156.25,138.075 ; L1P_4.2@154.725,152.65 L1P_4.2@156.25,154.175 ; v1(154.75,104.35) L1P_1.2@154.75,107.485 ; v1(154.75,108.05) v1(155.75,108.05) v1(156.75,108.05) v1(157.75,108.05) v1(158.75,108.05) ; v1(154.75,120.35) L1P_2.2@154.75,123.485 ; v1(154.75,124.05) v1(155.75,124.05) v1(156.75,124.05) v1(157.75,124.05) v1(158.75,124.05) ; v1(154.75,136.25) L1P_3.2@154.75,139.385 ; v1(154.75,139.95) v1(155.75,139.95) v1(156.75,139.95) v1(157.75,139.95) v1(158.75,139.95) ; v1(154.75,152.35) L1P_4.2@154.75,155.485 ; v1(154.75,156.05) v1(155.75,156.05) v1(156.75,156.05) v1(157.75,156.05) v1(158.75,156.05) ; v1(157.75,104.35) L1P_1.2@157.75,107.485 ; v1(157.75,120.35) L1P_2.2@157.75,123.485 ; v1(157.75,136.25) L1P_3.2@157.75,139.385 ; v1(157.75,152.35) L1P_4.2@157.75,155.485 ; L1P_1.2@158.025,104.4 L1P_1.2@156.25,106.175 ; L1P_2.2@158.025,120.4 L1P_2.2@156.25,122.175 ; L1P_3.2@158.025,136.3 L1P_3.2@156.25,138.075 ; L1P_4.2@158.025,152.4 L1P_4.2@156.25,154.175 ; v1(158.75,104.35) L1P_1.2@158.75,107.485 ; v1(158.75,120.35) L1P_2.2@158.75,123.485 ; v1(158.75,136.25) L1P_3.2@158.75,139.385 ; v1(158.75,152.35) L1P_4.2@158.75,155.485 ; 159.7,103.5 159.7,108.45 152.75,108.45 v1@152.75,106.175 ; 159.7,119.5 159.7,124.45 152.75,124.45 v1@152.75,122.175 ; 159.7,135.4 159.7,140.35 152.75,140.35 v1@152.75,138.075 ; 159.7,151.5 159.7,156.45 152.75,156.45 v1@152.75,154.175 ; L1P_8.2@93.75,95.825 v1@97.25,95.825 ; L1P_7.2@93.75,111.825 v1@97.25,111.825 ; L1P_6.2@93.75,127.825 v1@97.25,127.825 ; L1P_5.2@93.75,143.825 v1@97.25,143.825 ; v1@152.75,106.175 L1P_1.2@156.25,106.175 ; v1@152.75,122.175 L1P_2.2@156.25,122.175 ; v1@152.75,138.075 L1P_3.2@156.25,138.075 ; v1@152.75,154.175 L1P_4.2@156.25,154.175